# KiCad board accurate2_eval.kicad_pcb (continued)
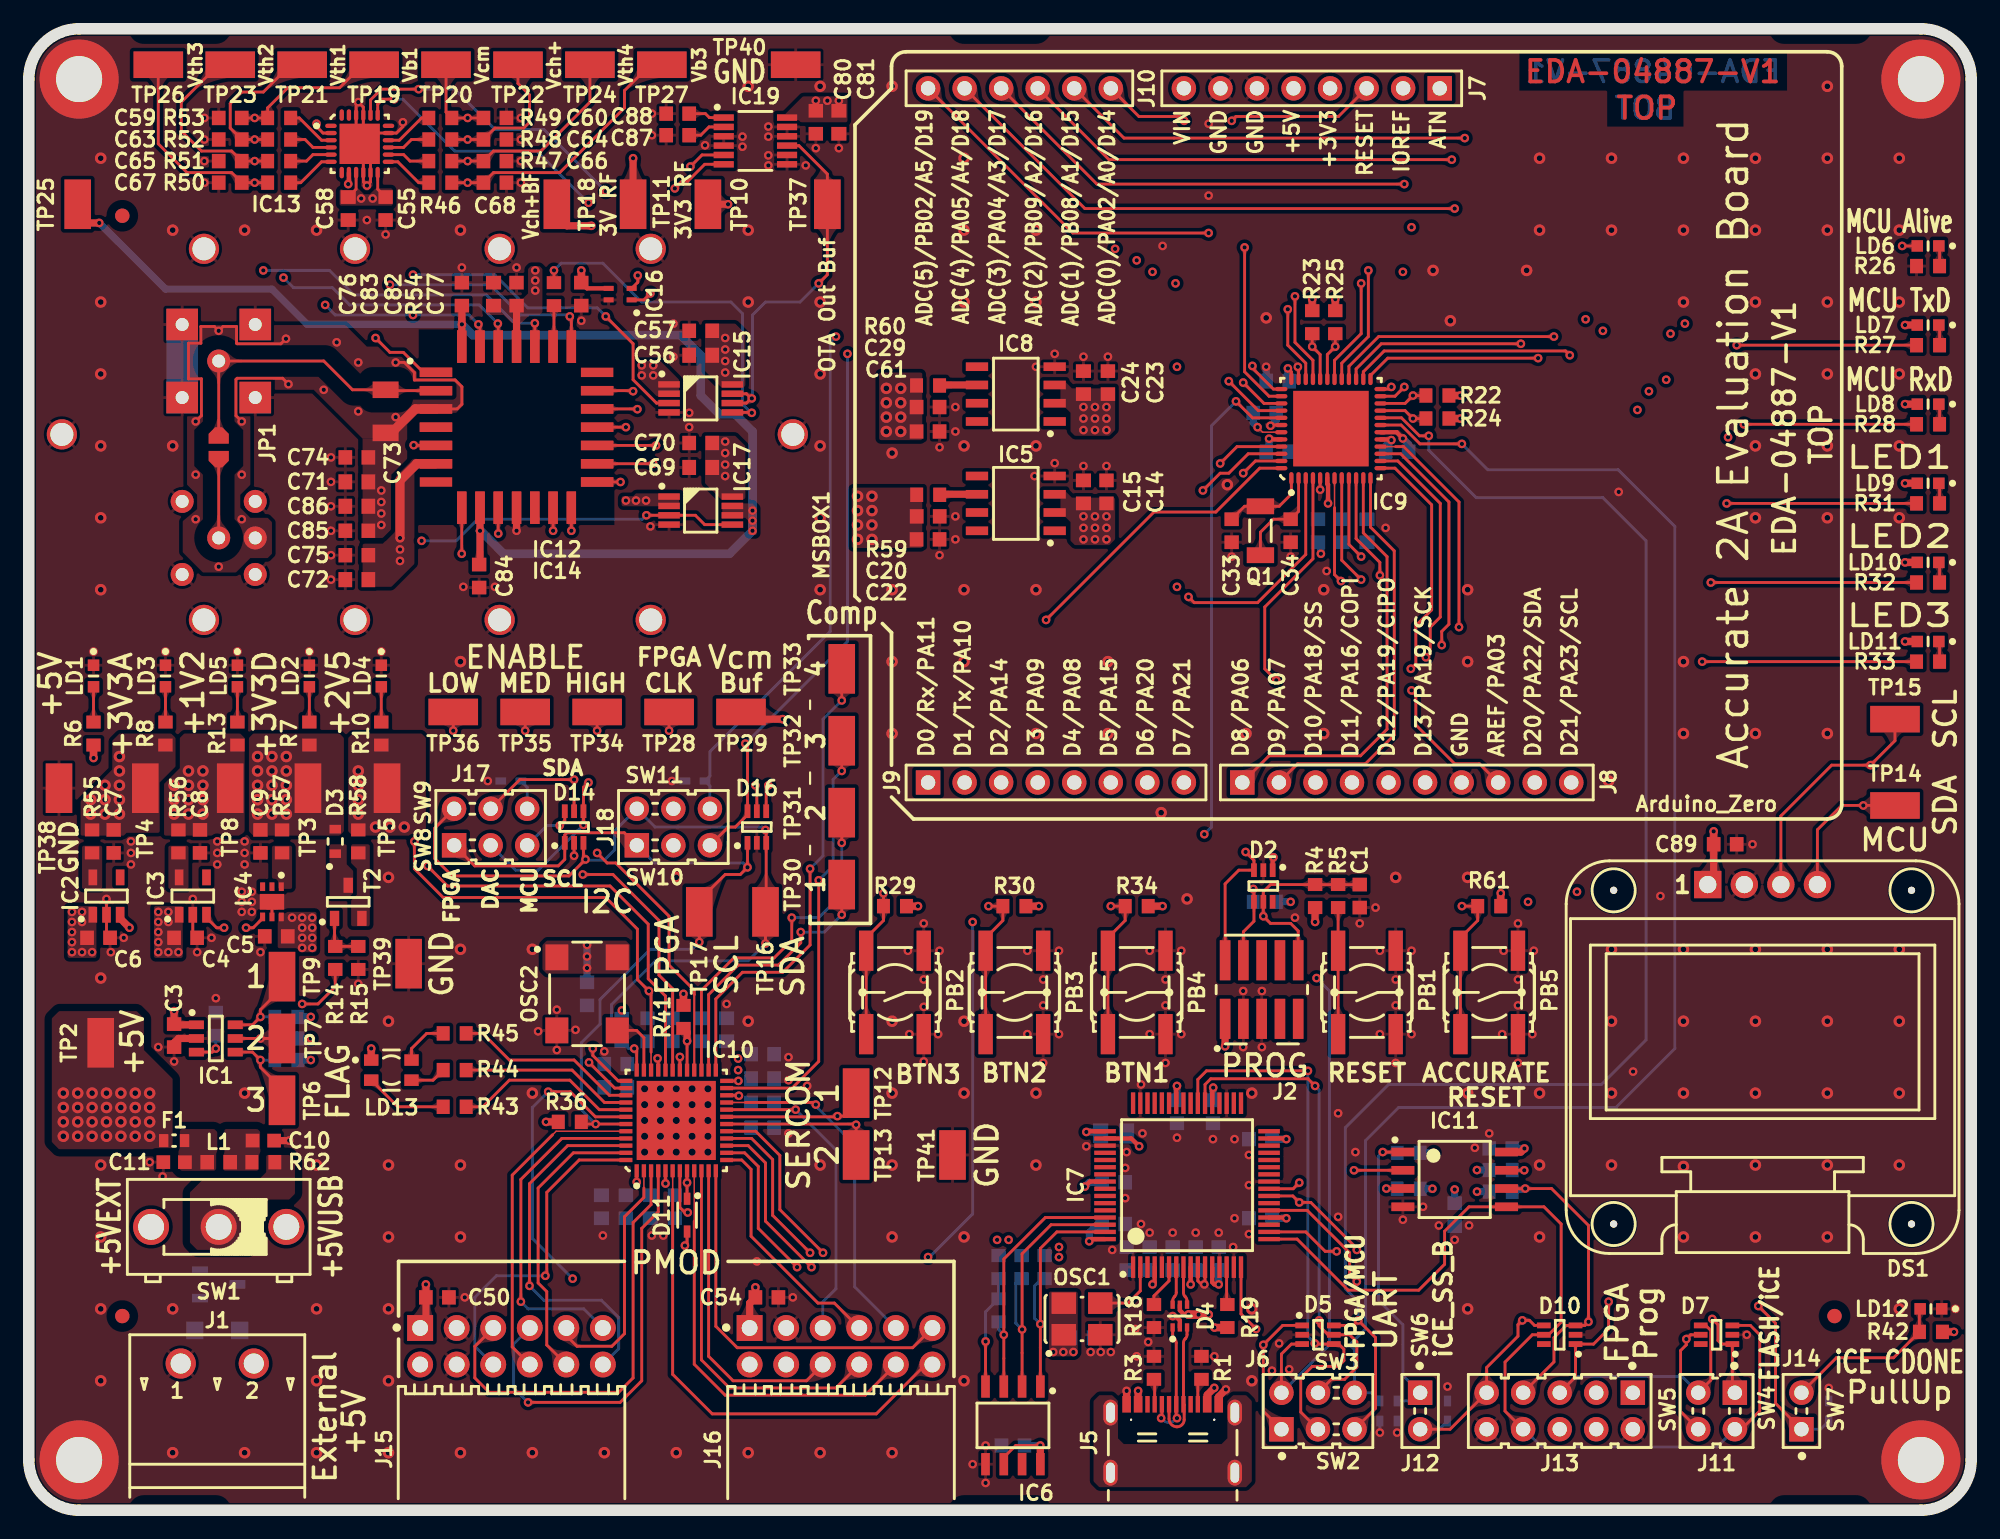
[diagram p0: board, top side]
## Library data of the parts (continued)
IC2 = -: Datasheet: \\cern.ch\dfs\Applications\Altium\Datasheets\LP5907.pdf; Author: CERN DEM HF; Bonding: No; Case: SOT23-5; Component Kind: Standard; Component Type: Standard; ComponentHeight: 0.8mm; CreateDate: 01/08/24 00:00:00; Database Table Name: ICs And Semiconductors; Footprint Library: ICs And Semiconductors SMD; Footprint Path: PcbLib\ICs And Semiconductors SMD.PcbLib; Footprint Ref: SOT95P280X145-5N; HelpURL: \\cern.ch\dfs\Applications\Altium\Datasheets\LP5907.pdf; LatestRevisionDate: 01/08/24 00:00:00; Library Name: Regulators; Library Path: SchLib\Regulators.SchLib; Library Ref: LP5907MF; License: This work is licensed under the Creative Commons CC-BY-SA 4.0 License. To the extent that circuit schematics that use Licensed Material can be considered to be ‘Adapted Material’, then the copyright holder waives article 3.b of the license with respect to these schematics.; Manufacturer: TEXAS INSTRUMENTS; Mounted: Yes; PackageDescription: SOT23, 0.95mm Pitch; 5 Pin, 1.60mm W X 2.90mm L X 1.45mm H body, IPC Medium Density; Part Description: 3.3V,250mA Linear Voltage Regulator IC Positive Fixed; Pin Count: 5; PressFit: No; SMD: Yes; Sense: No; Socket: No
IC3 = -: Datasheet: \\cern.ch\dfs\Applications\Altium\Datasheets\LP5907.pdf; Author: CERN DEM HF; Bonding: No; Case: SOT23-5; Component Kind: Standard; Component Type: Standard; ComponentHeight: 0.8mm; CreateDate: 01/08/24 00:00:00; Database Table Name: ICs And Semiconductors; Footprint Library: ICs And Semiconductors SMD; Footprint Path: PcbLib\ICs And Semiconductors SMD.PcbLib; Footprint Ref: SOT95P280X145-5N; HelpURL: \\cern.ch\dfs\Applications\Altium\Datasheets\LP5907.pdf; LatestRevisionDate: 01/08/24 00:00:00; Library Name: Regulators; Library Path: SchLib\Regulators.SchLib; Library Ref: LP5907MF; License: This work is licensed under the Creative Commons CC-BY-SA 4.0 License. To the extent that circuit schematics that use Licensed Material can be considered to be ‘Adapted Material’, then the copyright holder waives article 3.b of the license with respect to these schematics.; Manufacturer: TEXAS INSTRUMENTS; Mounted: Yes; PackageDescription: SOT23, 0.95mm Pitch; 5 Pin, 1.60mm W X 2.90mm L X 1.45mm H body, IPC Medium Density; Part Description: 1.2V,250mA Linear Voltage Regulator IC Positive Fixed; Pin Count: 5; PressFit: No; SMD: Yes; Sense: No; Socket: No
IC4 = -: Datasheet: \\cern.ch\dfs\Applications\Altium\Datasheets\LP5912-3.3DRVT.pdf; Author: CERN DEM JLC; Bonding: No; Case: SON6; Component Kind: Standard; Component Type: Standard; ComponentHeight: 0.8mm; CreateDate: 06/06/17 00:00:00; Database Table Name: ICs And Semiconductors; Footprint Library: ICs And Semiconductors SMD; Footprint Path: PcbLib\ICs And Semiconductors SMD.PcbLib; Footprint Ref: SON65P200X200X80-7N-R110X170; HelpURL: \\cern.ch\dfs\Applications\Altium\Datasheets\LP5912-3.3DRVT.pdf; LatestRevisionDate: 06/06/17 00:00:00; Library Name: Regulators; Library Path: SchLib\Regulators.SchLib; Library Ref: LP5912; License: This work is licensed under the Creative Commons CC-BY-SA 4.0 License. To the extent that circuit schematics that use Licensed Material can be considered to be ‘Adapted Material’, then the copyright holder waives article 3.b of the license with respect to these schematics.; Manufacturer: TEXAS INSTRUMENTS; Mounted: Yes; PackageDescription: SON, 0.65mm Pitch; 6 Pin, 2.00mm W X 2.00mm L X 0.80mm H body (w/Thermal Tab 1.10 X 1.70mm),  IPC Medium Density; Part Description: 3.3V, 500mA Low-Noise, Low-IQ, LDO Linear Regulator; Pin Count: 7; PressFit: No; SMD: Yes; Sense: No; Socket: No
IC5 = -: Datasheet: \\cern.ch\dfs\Applications\Altium\Datasheets\REF19x_Series.pdf; Author: CERN DEM BC; Bonding: No; Case: SOIC8; Component Kind: Standard; Component Type: Standard; ComponentHeight: 1.75mm; CreateDate: 02/02/21 00:00:00; Database Table Name: ICs And Semiconductors; Footprint Library: ICs And Semiconductors SMD; Footprint Path: PcbLib\ICs And Semiconductors SMD.PcbLib; Footprint Ref: SOIC127P600X175-8N; HelpURL: \\cern.ch\dfs\Applications\Altium\Datasheets\REF19x_Series.pdf; LatestRevisionDate: 02/02/21 00:00:00; Library Name: Regulators; Library Path: SchLib\Regulators.SchLib; Library Ref: REF19x; License: This work is licensed under the Creative Commons CC-BY-SA 4.0 License. To the extent that circuit schematics that use Licensed Material can be considered to be ‘Adapted Material’, then the copyright holder waives article 3.b of the license with respect to these schematics.; Manufacturer: ANALOG DEVICES; Mounted: Yes; PackageDescription: SOIC 8, Pitch 1.27mm, Body 4x5mm, IPC Medium Density; Part Description: 3.3V Precision Micropower, Low Dropout Voltage Reference, 10ppm/°C, -40°C to +85°C; Pin Count: 8; PressFit: No; SMD: Yes; Sense: No; Socket: No
IC6 = -: Datasheet: \\cern.ch\dfs\Applications\Altium\Datasheets\93LC56.pdf; Author: CERN DEM HF; Bonding: No; Case: SOIC8; Component Kind: Standard; Component Type: Standard; ComponentHeight: 1.45mm; CreateDate: 10/13/23 00:00:00; Database Table Name: ICs And Semiconductors; Footprint Library: ICs And Semiconductors SMD; Footprint Path: PcbLib\ICs And Semiconductors SMD.PcbLib; Footprint Ref: SOIC127P600X175-8N; HelpURL: \\cern.ch\dfs\Applications\Altium\Datasheets\93LC56.pdf; LatestRevisionDate: 10/13/23 00:00:00; Library Name: Logic; Library Path: SchLib\Logic.SchLib; Library Ref: 93LC56C-SN; License: This work is licensed under the Creative Commons CC-BY-SA 4.0 License. To the extent that circuit schematics that use Licensed Material can be considered to be ‘Adapted Material’, then the copyright holder waives article 3.b of the license with respect to these schematics.; Manufacturer: MICROCHIP TECHNOLOGY; Mounted: Yes; PackageDescription: SOIC, 1.27mm Pitch; 8 Pin - Body 4x5mm, IPC Medium Density; Part Description: 2K, 128X16-bit, 2.5V Microwire Compatible Serial EEPROM; Pin Count: 8; PressFit: No; SMD: Yes; Sense: No; Socket: No
IC7 = -: Datasheet: \\cern.ch\dfs\Applications\Altium\Datasheets\FT2232HL.pdf; Author: CERN DEM JLC; Bonding: No; Case: QFP64; Component Kind: Standard; Component Type: Standard; ComponentHeight: 1.6mm; CreateDate: 12/06/11 00:00:00; Database Table Name: ICs And Semiconductors; Footprint Library: ICs And Semiconductors SMD; Footprint Path: PcbLib\ICs And Semiconductors SMD.PcbLib; Footprint Ref: QFP50P1200X1200X160-64N; HelpURL: \\cern.ch\dfs\Applications\Altium\Datasheets\FT2232HL.pdf; LatestRevisionDate: 12/06/11 00:00:00; Library Name: Analog & Interface; Library Path: SchLib\Analog & Interface.SchLib; Library Ref: FT2232H; License: This work is licensed under the Creative Commons CC-BY-SA 4.0 License. To the extent that circuit schematics that use Licensed Material can be considered to be ‘Adapted Material’, then the copyright holder waives article 3.b of the license with respect to these schematics.; Manufacturer: FUTURE TECHNOLOGY DEVICES INTERNATIONAL (FTDI); Mounted: Yes; PackageDescription: QFP, 0.50mm Pitch, Square; 64 Pin, 10.0mm L X 10.0mm W X 1.60mm H Body, IPC Medium Density; Part Description: Dual High Speed USB to Multipurpose UART/FIFO IC; Pin Count: 64; PressFit: No; SMD: Yes; Sense: No; Socket: No
IC8 = -: Datasheet: \\cern.ch\dfs\Applications\Altium\Datasheets\REF19x_Series.pdf; Author: CERN DEM HF; Bonding: No; Case: SOIC8; Comment: REF196GS; Component Kind: Standard; Component Type: Standard; ComponentHeight: 1.75mm; CreateDate: 10/31/23 00:00:00; Database Table Name: ICs And Semiconductors; Footprint Library: ICs And Semiconductors SMD; Footprint Path: PcbLib\ICs And Semiconductors SMD.PcbLib; Footprint Ref: SOIC127P600X175-8N; HelpURL: \\cern.ch\dfs\Applications\Altium\Datasheets\REF19x_Series.pdf; LatestRevisionDate: 10/31/23 00:00:00; Library Name: Regulators; Library Path: SchLib\Regulators.SchLib; Library Ref: REF19x; License: This work is licensed under the Creative Commons CC-BY-SA 4.0 License. To the extent that circuit schematics that use Licensed Material can be considered to be ‘Adapted Material’, then the copyright holder waives article 3.b of the license with respect to these schematics.; Manufacturer: ANALOG DEVICES; Mounted: Yes; PackageDescription: SOIC 8, Pitch 1.27mm, Body 4x5mm, IPC Medium Density; Part Description: 3V Precision Micropower, Low Dropout Voltage Reference, 10ppm/°C, -40°C to +85°C; Pin Count: 8; PressFit: No; SMD: Yes; Sense: No; Socket: No
IC9 = -: Datasheet: \\cern.ch\dfs\Applications\Altium\Datasheets\ATSAMD21G18A-MF.pdf; Author: CERN DEM BC; Bonding: No; Case: QFN48; Component Kind: Standard; Component Type: Standard; ComponentHeight: 0.9mm; CreateDate: 01/23/18 00:00:00; Database Table Name: ICs And Semiconductors; Footprint Library: ICs And Semiconductors SMD; Footprint Path: PcbLib\ICs And Semiconductors SMD.PcbLib; Footprint Ref: QFN50P700X700X90-49N-S525; HelpURL: \\cern.ch\dfs\Applications\Altium\Datasheets\ATSAMD21G18A-MF.pdf; LatestRevisionDate: 01/23/18 00:00:00; Library Name: Logic; Library Path: SchLib\Logic.SchLib; License: This work is licensed under the Creative Commons CC-BY-SA 4.0 License. To the extent that circuit schematics that use Licensed Material can be considered to be ‘Adapted Material’, then the copyright holder waives article 3.b of the license with respect to these schematics.; Manufacturer: MICROCHIP TECHNOLOGY; Mounted: Yes; PackageDescription: QFN, 0.50mm Pitch, Square; 48 Pin, 7.00mm L X 7.00mm W X 0.90mm H body (w/Thermal Tab 5.25 X 5.25mm), IPC Medium Density; Part Description: 32-bit ARM®-based Cortex®-M0+ core Microcontroller, 1.62V to 3.6V, 48MHz, 256KB Flash, 32KB SRAM, 48 QFN, Temperature Range -40°C to 125°C; Pin Count: 49; PressFit: No; SMD: Yes; Sense: No; Socket: No
IC10 = -: Datasheet: \\cern.ch\dfs\Applications\Altium\Datasheets\ICE5LP4K.pdf; Author: CERN DEM HF; Bonding: No; Case: QFN48; Component Kind: Standard; Component Type: Standard; ComponentHeight: 1.00mm; ComponentLink1Description: Package; ComponentLink1URL: \\cern.ch\dfs\Applications\Altium\Datasheets\LATTICE_Packege.pdf; ComponentLink2Description: Pinout; ComponentLink2URL: \\cern.ch\dfs\Applications\Altium\Datasheets\ICE5LP4K_Pinout.xlsx; CreateDate: 10/30/23 00:00:00; Database Table Name: ICs And Semiconductors; Footprint Library: ICs And Semiconductors SMD; Footprint Path: PcbLib\ICs And Semiconductors SMD.PcbLib; Footprint Ref: QFN50P700X700X100-49N-S550; HelpURL: \\cern.ch\dfs\Applications\Altium\Datasheets\ICE5LP4K.pdf; LatestRevisionDate: 10/30/23 00:00:00; Library Name: Logic; Library Path: SchLib\Logic.SchLib; License: This work is licensed under the Creative Commons CC-BY-SA 4.0 License. To the extent that circuit schematics that use Licensed Material can be considered to be ‘Adapted Material’, then the copyright holder waives article 3.b of the license with respect to these schematics.; Manufacturer: LATTICE SEMICONDUCTOR; Mounted: Yes; PackageDescription: QFN, 0.50mm Pitch, Square; 48 Pin, 7.00mm L X 7.00mm W X 1.00mm H body (w/Thermal Tab 5.50mm X 5.40mm), IPC Medium Density; Part Description: ICE40 Ultra FPGA, 3520 Logic Cells, 400 kHz data transfer speed, 48 pin QFN; Pin Count: 49; PressFit: No; SMD: Yes; Sense: No; Socket: No
IC11 = -: Datasheet: \\cern.ch\dfs\Applications\Altium\Datasheets\MT25QL128ABA1ESE-0SIT.pdf; Author: CERN DEM JLC; Bonding: No; Case: SOIC8; Component Kind: Standard; Component Type: Standard; ComponentHeight: 2.16mm; CreateDate: 01/14/19 00:00:00; Database Table Name: ICs And Semiconductors; Footprint Library: ICs And Semiconductors SMD; Footprint Path: PcbLib\ICs And Semiconductors SMD.PcbLib; Footprint Ref: SOIC127P790X216-8N; HelpURL: \\cern.ch\dfs\Applications\Altium\Datasheets\MT25QL128ABA1ESE-0SIT.pdf; LatestRevisionDate: 01/14/19 00:00:00; Library Name: Logic; Library Path: SchLib\Logic.SchLib; Library Ref: MT25QxxxxxBA1ESE; License: This work is licensed under the Creative Commons CC-BY-SA 4.0 License. To the extent that circuit schematics that use Licensed Material can be considered to be ‘Adapted Material’, then the copyright holder waives article 3.b of the license with respect to these schematics.; Manufacturer: MICRON TECHNOLOGY; Mounted: Yes; PackageDescription: SOIC, 1.27mm Pitch; 8 Pin, 5.285mm W X 5.335mm L X 2.16mm H body, IPC Medium Density; Part Description: 128Mb (16MB), 2.7V-3.6V, Multiple I/O Serial NOR Flash Memory, with Hold# Pins, –40°C to +85°C; Pin Count: 8; PressFit: No; SMD: Yes; Sense: No; Socket: No
IC12 = -: Datasheet: \\cern.ch\dfs\Applications\Altium\Datasheets\CERN_ACCURATE_2A.pdf; Author: CERN DEM HF; Bonding: No; Case: JLCC28; Comment: ACCURATE_2A; Component Kind: Standard; Component Type: Standard; ComponentHeight: 2.62mm; CreateDate: 10/17/23 00:00:00; Database Table Name: ICs And Semiconductors; Device: ACCURATE_2A; Footprint Library: ICs And Semiconductors SMD; Footprint Path: PcbLib\ICs And Semiconductors SMD.PcbLib; Footprint Ref: CERN_ACCURATE_2A_JLCC28; HelpURL: \\cern.ch\dfs\Applications\Altium\Datasheets\CERN_ACCURATE_2A.pdf; LatestRevisionDate: 10/17/23 00:00:00; Library Name: Analog & Interface; Library Path: SchLib\Analog & Interface.SchLib; Library Ref: CERN_ACCURATE_2A_JLCC28; License: This work is licensed under the Creative Commons CC-BY-SA 4.0 License. To the extent that circuit schematics that use Licensed Material can be considered to be ‘Adapted Material’, then the copyright holder waives article 3.b of the license with respect to these schematics.; Manufacturer: CERN; Mounted: Yes; PackageDescription: PLCC, 1.27mm pitch, square; 7 pin X 7 pin, 11mm L X 11mm W X 2.62mm H body, IPC Medium Density; Part Description: State of The Art Ultra Low Current Measurement ASIC; Pin Count: 28; PressFit: No; SMD: Yes; Sense: No; Socket: No
IC13 = -: Datasheet: \\cern.ch\dfs\Applications\Altium\Datasheets\DAC7578SRGE.pdf; Author: CERN DEM MR; Bonding: No; Case: QFN24; Component Kind: Standard; Component Type: Standard; ComponentHeight: 1mm; CreateDate: 07/14/16 00:00:00; Database Table Name: ICs And Semiconductors; Footprint Library: ICs And Semiconductors SMD; Footprint Path: PcbLib\ICs And Semiconductors SMD.PcbLib; Footprint Ref: QFN50P400X400X100-25N-S280; HelpURL: \\cern.ch\dfs\Applications\Altium\Datasheets\DAC7578SRGE.pdf; LatestRevisionDate: 07/14/16 00:00:00; Library Name: Analog & Interface; Library Path: SchLib\Analog & Interface.SchLib; License: This work is licensed under the Creative Commons CC-BY-SA 4.0 License. To the extent that circuit schematics that use Licensed Material can be considered to be ‘Adapted Material’, then the copyright holder waives article 3.b of the license with respect to these schematics.; Manufacturer: TEXAS INSTRUMENTS; Mounted: Yes; PackageDescription: QFN, 0.50mm Pitch, Square; 24 Pin, 4.00mm L X 4.00mm W X 1.00mm H body (w/Thermal Tab 2.80 X 2.80mm), IPC Medium Density; Part Description: 12-Bit, Octal-Channel, Ultra-Low Glitch, Voltage Output, Two-Wire Interface Digital-To-Analog Converters; Pin Count: 25; PressFit: No; SMD: Yes; Sense: No; Socket: No
IC14 = -: Datasheet: \\cern.ch\dfs\Applications\Altium\Datasheets\CERN_aCCURATE1.pdf; Author: CERN DEM HF; Bonding: Yes; Component Kind: Standard; Component Type: Standard; ComponentHeight: 0.28mm; CreateDate: 11/23/21 00:00:00; Database Table Name: ICs And Semiconductors; Footprint Library: ICs And Semiconductors Bonding; Footprint Path: PcbLib\ICs And Semiconductors Bonding.PcbLib; Footprint Ref: CERN_aCCURATE1; HelpURL: \\cern.ch\dfs\Applications\Altium\Datasheets\CERN_aCCURATE1.pdf; LatestRevisionDate: 11/23/21 00:00:00; Library Name: Bonding; Library Path: SchLib\Bonding.SchLib; License: This work is licensed under the Creative Commons CC-BY-SA 4.0 License. To the extent that circuit schematics that use Licensed Material can be considered to be ‘Adapted Material’, then the copyright holder waives article 3.b of the license with respect to these schematics.; Manufacturer: CERN; Manufacturer Part Number: aCCURATE2_A_Chip1; Mounted: No; PackageDescription: Bonding Chip, Body 1.47x1.32mm; Part Description: FemtoAmpere Current Measurements; Pin Count: 26; PressFit: No; SMD: No; Sense: No; Socket: No
IC15 IC17 = -: Datasheet: \\cern.ch\dfs\Applications\Altium\Datasheets\LM8272.pdf; Author: CERN DEM HF; Bonding: No; Case: MSOP8; Component Kind: Standard; Component Type: Standard; ComponentHeight: 1.1mm; CreateDate: 12/04/23 00:00:00; Database Table Name: ICs And Semiconductors; Footprint Library: ICs And Semiconductors SMD; Footprint Path: PcbLib\ICs And Semiconductors SMD.PcbLib; Footprint Ref: SOP65P490X110-8N; HelpURL: \\cern.ch\dfs\Applications\Altium\Datasheets\LM8272.pdf; LatestRevisionDate: 12/04/23 00:00:00; Library Name: Operational Amplifiers; Library Path: SchLib\Operational Amplifiers.SchLib; Library Ref: Operational Amplifier x2 Type1; License: This work is licensed under the Creative Commons CC-BY-SA 4.0 License. To the extent that circuit schematics that use Licensed Material can be considered to be ‘Adapted Material’, then the copyright holder waives article 3.b of the license with respect to these schematics.; Manufacturer: TEXAS INSTRUMENTS; Mounted: Yes; PackageDescription: SOP, 0.65mm Pitch; 8 Pin, 3.00mm W X 3.00mm L X 1.10mm H body, IPC Medium Density; Part Description: Dual, 24-V, 13-MHz operational amplifier; Pin Count: 8; PressFit: No; SMD: Yes; Sense: No; Socket: No
IC16 = -: Datasheet: \\cern.ch\dfs\Applications\Altium\Datasheets\SHT4x.pdf; Author: CERN DEM HF; Bonding: No; Case: SON4; Component Kind: Standard; Component Type: Standard; ComponentHeight: 0.8mm; CreateDate: 01/08/24 00:00:00; Database Table Name: ICs And Semiconductors; Footprint Library: ICs And Semiconductors SMD; Footprint Path: PcbLib\ICs And Semiconductors SMD.PcbLib; Footprint Ref: SON80P150X150X80-4N; HelpURL: \\cern.ch\dfs\Applications\Altium\Datasheets\SHT4x.pdf; LatestRevisionDate: 01/08/24 00:00:00; Library Name: Sensors; Library Path: SchLib\Sensors.SchLib; Library Ref: SHT4x; License: This work is licensed under the Creative Commons CC-BY-SA 4.0 License. To the extent that circuit schematics that use Licensed Material can be considered to be ‘Adapted Material’, then the copyright holder waives article 3.b of the license with respect to these schematics.; Manufacturer: SENSIRION; Mounted: Yes; PackageDescription: SON, 0.80mm Pitch, 4pin, 1.50mm W  X 1.5mm L X 0.80mm Height, IPC Medium Density; Part Description: Humidity, Temperature 0 ~{} 100% RH I²C ±1.8% RH; Pin Count: 4; PressFit: No; SMD: Yes; Sense: Yes; Sense Comment: Non-washable; Socket: No
IC19 = -: Datasheet: \\cern.ch\dfs\Applications\Altium\Datasheets\LTC2471IMS.pdf; Author: CERN DEM HF; Bonding: No; Case: MSOP12; Component Kind: Standard; Component Type: Standard; ComponentHeight: 1.1mm; CreateDate: 10/24/23 00:00:00; Database Table Name: ICs And Semiconductors; Footprint Library: ICs And Semiconductors SMD; Footprint Path: PcbLib\ICs And Semiconductors SMD.PcbLib; Footprint Ref: SOP65P490X110-12N; HelpURL: \\cern.ch\dfs\Applications\Altium\Datasheets\LTC2471IMS.pdf; LatestRevisionDate: 10/24/23 00:00:00; Library Name: Analog & Interface; Library Path: SchLib\Analog & Interface.SchLib; Library Ref: LTC2471; License: This work is licensed under the Creative Commons CC-BY-SA 4.0 License. To the extent that circuit schematics that use Licensed Material can be considered to be ‘Adapted Material’, then the copyright holder waives article 3.b of the license with respect to these schematics.; Manufacturer: LINEAR TECHNOLOGY; Mounted: Yes; PackageDescription: SOP, 12-Leads, Body 4.14x3.1mm (max), Pitch 0.65mm, IPC Medium Density; Part Description: Selectable 208sps/833sps, 16-Bit I2C ΔΣ ADCs with 10ppm/°C Max Precision Reference; Pin Count: 12; PressFit: No; SMD: Yes; Sense: No; Socket: No
J1 = -: Datasheet: \\cern.ch\dfs\Applications\Altium\Datasheets\PHOENIX_1757242.pdf; Author: CERN DEM JLC; Component Kind: Standard; Component Type: Standard; ComponentHeight: 8.6mm; CreateDate: 09/21/16 00:00:00; Database Table Name: Connectors; Footprint Library: PHOENIX THD; Footprint Path: PcbLib\PHOENIX THD.PcbLib; HelpURL: \\cern.ch\dfs\Applications\Altium\Datasheets\PHOENIX_1757242.pdf; LatestRevisionDate: 09/21/16 00:00:00; Library Name: PHOENIX; Library Path: SchLib\Connectors.SchLib; Library Ref: Connector 2 Male; License: This work is licensed under the Creative Commons CC-BY-SA 4.0 License. To the extent that circuit schematics that use Licensed Material can be considered to be ‘Adapted Material’, then the copyright holder waives article 3.b of the license with respect to these schematics.; Manufacturer: PHOENIX CONTACT; Manufacturer Part Number: 1757242 (MSTBA 2,5/ 2-G-5,08); Mounted: Yes; Part Description: 12A, 250V, Pitch 5.08mm, 2 Positions Header; Pin Count: 2; PressFit: No; SMD: No; Sense: No; Socket: No; Status: None
J2 = -: Datasheet: \\cern.ch\dfs\Applications\Altium\Datasheets\SAMTEC_FTSH-105-01-L-DV-K.pdf; Author: CERN DEM BC; Component Kind: Standard; Component Type: Standard; ComponentHeight: 6.25mm; CreateDate: 01/17/20 00:00:00; Database Table Name: Connectors; Family: Header 10; Footprint Library: SAMTEC SMD; Footprint Path: PcbLib\SAMTEC SMD.PcbLib; HelpURL: \\cern.ch\dfs\Applications\Altium\Datasheets\SAMTEC_FTSH-105-01-L-DV-K.pdf; LatestRevisionDate: 01/17/20 00:00:00; Library Name: SAMTEC; Library Path: SchLib\Connectors.SchLib; Library Ref: Connector 10 Male; License: This work is licensed under the Creative Commons CC-BY-SA 4.0 License. To the extent that circuit schematics that use Licensed Material can be considered to be ‘Adapted Material’, then the copyright holder waives article 3.b of the license with respect to these schematics.; Manufacturer: SAMTEC; Manufacturer Part Number: FTSH-105-01-L-DV-K; Mounted: Yes; Part Description: 10 Contacts, Pitch 1.27mm, Dual Row Straight Shrouded SMT Micro Header with Keying Shroud; Pin Count: 10; PressFit: No; SMD: Yes; Sense: No; Socket: No; Status: None
J3 = -: Datasheet: \\cern.ch\dfs\Applications\Altium\Datasheets\LEMO_EPK.00.250.NTN.pdf; Author: CERN DEM JLC; Comment: LEMO 00; Component Kind: Standard; Component Type: Standard; ComponentHeight: 7mm; CreateDate: 09/04/12 00:00:00; Database Table Name: Connectors; Family: LEMO 00; Footprint Library: LEMO THD; Footprint Path: PcbLib\LEMO THD.PcbLib; HelpURL: \\cern.ch\dfs\Applications\Altium\Datasheets\LEMO_EPK.00.250.NTN.pdf; LatestRevisionDate: 09/04/12 00:00:00; Library Name: LEMO; Library Path: SchLib\Connectors.SchLib; Library Ref: Coax_1Female_1Shield; License: This work is licensed under the Creative Commons CC-BY-SA 4.0 License. To the extent that circuit schematics that use Licensed Material can be considered to be ‘Adapted Material’, then the copyright holder waives article 3.b of the license with respect to these schematics.; Manufacturer: LEMO; Manufacturer Part Number: EPK.00.250.NTN; Mounted: Yes; Part Description: Size 00, 50 Ohms Coaxial Elbow (90°) Socket with Clearance Under The Body; Pin Count: 2; PressFit: No; SCEM: 09.46.11.180.6; SMD: No; Sense: No; Socket: No; Status: None
J4 = -: Datasheet: \\cern.ch\dfs\Applications\Altium\Datasheets\LEMO_EPL.00.650.NLN.pdf; Author: CERN DEM HF; Comment: LEMO 00; Component Kind: Standard; Component Type: Standard; ComponentHeight: 7mm; CreateDate: 10/13/23 00:00:00; Database Table Name: Connectors; Family: LEMO 00; Footprint Library: LEMO THD; Footprint Path: PcbLib\LEMO THD.PcbLib; HelpURL: \\cern.ch\dfs\Applications\Altium\Datasheets\LEMO_EPL.00.650.NLN.pdf; LatestRevisionDate: 10/13/23 00:00:00; Library Name: LEMO; Library Path: SchLib\Connectors.SchLib; License: This work is licensed under the Creative Commons CC-BY-SA 4.0 License. To the extent that circuit schematics that use Licensed Material can be considered to be ‘Adapted Material’, then the copyright holder waives article 3.b of the license with respect to these schematics.; Manufacturer: LEMO; Manufacturer Part Number: EPL.00.650.NLN; Mounted: No; Part Description: 50 Ohms Size 00, Coaxial  Elbow Socket (90°) with First Screen; Pin Count: 3; PressFit: No; SMD: No; Sense: No; Socket: No; Status: None
J5 = -: Datasheet: \\cern.ch\dfs\Applications\Altium\Datasheets\GCT_USB4105-GF-A.pdf; Author: CERN DEM HF; Component Kind: Standard; Component Type: Standard; ComponentHeight: 3.31mm; CreateDate: 10/12/23 00:00:00; Database Table Name: Connectors; Family: USB 2.0; Footprint Library: Miscellaneous SMD; Footprint Path: PcbLib\Miscellaneous SMD.PcbLib; HelpURL: \\cern.ch\dfs\Applications\Altium\Datasheets\GCT_USB4105-GF-A.pdf; LatestRevisionDate: 10/12/23 00:00:00; Library Name: Miscellaneous; Library Path: SchLib\Connectors.SchLib; License: This work is licensed under the Creative Commons CC-BY-SA 4.0 License. To the extent that circuit schematics that use Licensed Material can be considered to be ‘Adapted Material’, then the copyright holder waives article 3.b of the license with respect to these schematics.; Manufacturer: GCT; Manufacturer Part Number: USB4105-GF-A; Mounted: Yes; Part Description: USB 2.0 Type C Receptacle 16 Contacts, SMD, horizontal; Pin Count: 20; PressFit: No; SMD: Yes; Sense: No; Socket: No; Status: None